# Allegro board SG2042_EVB_V1_1.brd (continued)
## Nets (continued)
PCIE0_TXM[0]: C382.2 J2018.B15
PCIE0_TXM[0]_L: C382.1 U1.BK29
PCIE0_TXM[1]: C387.2 J2018.B20
PCIE0_TXM[1]_L: C387.1 U1.BH30
PCIE0_TXM[2]: C391.2 J2018.B24
PCIE0_TXM[2]_L: C391.1 U1.BK31
PCIE0_TXM[3]: C395.2 J2018.B28
PCIE0_TXM[3]_L: C395.1 U1.BH32
PCIE0_TXM[4]: C399.2 J2018.B34
PCIE0_TXM[4]_L: C399.1 U1.BK33
PCIE0_TXM[5]: C403.2 J2018.B38
PCIE0_TXM[5]_L: C403.1 U1.BH34
PCIE0_TXM[6]: C407.2 J2018.B42
PCIE0_TXM[6]_L: C407.1 U1.BK35
PCIE0_TXM[7]: C411.2 J2018.B46
PCIE0_TXM[7]_L: C411.1 U1.BH36
PCIE0_TXM[8]: C415.2 J2019.B15
PCIE0_TXM[8]_L: C415.1 U1.BH38
PCIE0_TXM[9]: C419.2 J2019.B20
PCIE0_TXM[9]_L: C419.1 U1.BK39
PCIE0_TXM[10]: C423.2 J2019.B24
PCIE0_TXM[10]_L: C423.1 U1.BH40
PCIE0_TXM[11]: C427.2 J2019.B28
PCIE0_TXM[11]_L: C427.1 U1.BK41
PCIE0_TXM[12]: C431.2 J2019.B34
PCIE0_TXM[12]_L: C431.1 U1.BH42
PCIE0_TXM[13]: C435.2 J2019.B38
PCIE0_TXM[13]_L: C435.1 U1.BK43
PCIE0_TXM[14]: C439.2 J2019.B42
PCIE0_TXM[14]_L: C439.1 U1.BH44
PCIE0_TXM[15]: C443.2 J2019.B46
PCIE0_TXM[15]_L: C443.1 U1.BK45
PCIE0_TXP[0]: C383.2 J2018.B14
PCIE0_TXP[0]_L: C383.1 U1.BL29
PCIE0_TXP[1]: C385.2 J2018.B19
PCIE0_TXP[1]_L: C385.1 U1.BJ30
PCIE0_TXP[2]: C389.2 J2018.B23
PCIE0_TXP[2]_L: C389.1 U1.BL31
PCIE0_TXP[3]: C393.2 J2018.B27
PCIE0_TXP[3]_L: C393.1 U1.BJ32
PCIE0_TXP[4]: C397.2 J2018.B33
PCIE0_TXP[4]_L: C397.1 U1.BL33
PCIE0_TXP[5]: C401.2 J2018.B37
PCIE0_TXP[5]_L: C401.1 U1.BJ34
PCIE0_TXP[6]: C405.2 J2018.B41
PCIE0_TXP[6]_L: C405.1 U1.BL35
PCIE0_TXP[7]: C409.2 J2018.B45
PCIE0_TXP[7]_L: C409.1 U1.BJ36
PCIE0_TXP[8]: C413.2 J2019.B14
PCIE0_TXP[8]_L: C413.1 U1.BJ38
PCIE0_TXP[9]: C417.2 J2019.B19
PCIE0_TXP[9]_L: C417.1 U1.BL39
PCIE0_TXP[10]: C421.2 J2019.B23
PCIE0_TXP[10]_L: C421.1 U1.BJ40
PCIE0_TXP[11]: C425.2 J2019.B27
PCIE0_TXP[11]_L: C425.1 U1.BL41
PCIE0_TXP[12]: C429.2 J2019.B33
PCIE0_TXP[12]_L: C429.1 U1.BJ42
PCIE0_TXP[13]: C433.2 J2019.B37
PCIE0_TXP[13]_L: C433.1 U1.BL43
PCIE0_TXP[14]: C437.2 J2019.B41
PCIE0_TXP[14]_L: C437.1 U1.BJ44
PCIE0_TXP[15]: C441.2 J2019.B45
PCIE0_TXP[15]_L: C441.1 U1.BL45
PCIE1_0_REFCLK_M: R281.2 R290.1 U1.BH20
PCIE1_0_REFCLK_P: R280.2 R291.1 U1.BJ20
PCIE1_1_REFCLK_M: R283.2 R288.1 U1.BN20
PCIE1_1_REFCLK_P: R282.2 R289.1 U1.BP20
PCIE1_2_REFCLK_M: J1104.A14 R285.2 R286.1 R2108.1
PCIE1_2_REFCLK_P: J1104.A13 R284.2 R287.1 R2107.1
PCIE1_ATB_0: T38.1(TP) U1.E30
PCIE1_ATB_1: T39.1(TP) U1.F28
PCIE1_L0_CLKREQ_IN_X: U1.A19 U814.7
PCIE1_L0_CLKREQ_IN_X_H: J1104.B12 R1315.2 R2406.1 R2415.1
PCIE1_L0_RESET_X: R2281.2 U1.H27 U814.8
PCIE1_L0_RESET_X_H: J1104.A11 R1333.2 R2407.1 R2416.1
PCIE1_L0_WAKEUP_X: U1.B19 U814.9
PCIE1_L0_WAKEUP_X_H: J1104.B11(WAKE#) R1313.2 R2408.1 R2417.1
PCIE1_L1_CLKREQ_IN_X: T35.1(TP) U1.H28
PCIE1_L1_RESET_X: R2282.2 U1.G27
PCIE1_L1_WAKEUP_X: T36.1(TP) U1.E28
PCIE1_REXT: R18.1 U1.F29
PCIE1_RXM[0]: J1104.A17 U1.BN12
PCIE1_RXM[1]: J1104.A22 U1.BR13
PCIE1_RXM[2]: J1104.A26 U1.BN14
PCIE1_RXM[3]: J1104.A30 U1.BR15
PCIE1_RXM[4]: J1104.A36 U1.BN16
PCIE1_RXM[5]: J1104.A40 U1.BR17
PCIE1_RXM[6]: J1104.A44 U1.BN18
PCIE1_RXM[7]: J1104.A48 U1.BR19
PCIE1_RXM[8]: J1104.A53 U1.BR21
PCIE1_RXM[9]: J1104.A57 U1.BN22
PCIE1_RXM[10]: J1104.A61 U1.BR23
PCIE1_RXM[11]: J1104.A65 U1.BN24
PCIE1_RXM[12]: J1104.A69 U1.BR25
PCIE1_RXM[13]: J1104.A73 U1.BN26
PCIE1_RXM[14]: J1104.A77 U1.BR27
PCIE1_RXM[15]: J1104.A81 U1.BN28
PCIE1_RXP[0]: J1104.A16 U1.BP12
PCIE1_RXP[1]: J1104.A21 U1.BT13
PCIE1_RXP[2]: J1104.A25 U1.BP14
PCIE1_RXP[3]: J1104.A29 U1.BT15
PCIE1_RXP[4]: J1104.A35 U1.BP16
PCIE1_RXP[5]: J1104.A39 U1.BT17
PCIE1_RXP[6]: J1104.A43 U1.BP18
PCIE1_RXP[7]: J1104.A47 U1.BT19
PCIE1_RXP[8]: J1104.A52 U1.BT21
PCIE1_RXP[9]: J1104.A56 U1.BP22
PCIE1_RXP[10]: J1104.A60 U1.BT23
PCIE1_RXP[11]: J1104.A64 U1.BP24
PCIE1_RXP[12]: J1104.A68 U1.BT25
PCIE1_RXP[13]: J1104.A72 U1.BP26
PCIE1_RXP[14]: J1104.A76 U1.BT27
PCIE1_RXP[15]: J1104.A80 U1.BP28
PCIE1_TXM[0]: C384.2 J1104.B15
PCIE1_TXM[0]_L: C384.1 U1.BH12
PCIE1_TXM[1]: C388.2 J1104.B20
PCIE1_TXM[1]_L: C388.1 U1.BK13
PCIE1_TXM[2]: C392.2 J1104.B24
PCIE1_TXM[2]_L: C392.1 U1.BH14
PCIE1_TXM[3]: C396.2 J1104.B28
PCIE1_TXM[3]_L: C396.1 U1.BK15
PCIE1_TXM[4]: C400.2 J1104.B34
PCIE1_TXM[4]_L: C400.1 U1.BH16
PCIE1_TXM[5]: C404.2 J1104.B38
PCIE1_TXM[5]_L: C404.1 U1.BK17
PCIE1_TXM[6]: C408.2 J1104.B42
PCIE1_TXM[6]_L: C408.1 U1.BH18
PCIE1_TXM[7]: C412.2 J1104.B46
PCIE1_TXM[7]_L: C412.1 U1.BK19
PCIE1_TXM[8]: C416.2 J1104.B51
PCIE1_TXM[8]_L: C416.1 U1.BK21
PCIE1_TXM[9]: C420.2 J1104.B55
PCIE1_TXM[9]_L: C420.1 U1.BH22
PCIE1_TXM[10]: C424.2 J1104.B59
PCIE1_TXM[10]_L: C424.1 U1.BK23
PCIE1_TXM[11]: C428.2 J1104.B63
PCIE1_TXM[11]_L: C428.1 U1.BH24
PCIE1_TXM[12]: C432.2 J1104.B67
PCIE1_TXM[12]_L: C432.1 U1.BK25
PCIE1_TXM[13]: C436.2 J1104.B71
PCIE1_TXM[13]_L: C436.1 U1.BH26
PCIE1_TXM[14]: C440.2 J1104.B75
PCIE1_TXM[14]_L: C440.1 U1.BK27
PCIE1_TXM[15]: C444.2 J1104.B79
PCIE1_TXM[15]_L: C444.1 U1.BH28
PCIE1_TXP[0]: C381.2 J1104.B14
PCIE1_TXP[0]_L: C381.1 U1.BJ12
PCIE1_TXP[1]: C386.2 J1104.B19
PCIE1_TXP[1]_L: C386.1 U1.BL13
PCIE1_TXP[2]: C390.2 J1104.B23
PCIE1_TXP[2]_L: C390.1 U1.BJ14
PCIE1_TXP[3]: C394.2 J1104.B27
PCIE1_TXP[3]_L: C394.1 U1.BL15
PCIE1_TXP[4]: C398.2 J1104.B33
PCIE1_TXP[4]_L: C398.1 U1.BJ16
PCIE1_TXP[5]: C402.2 J1104.B37
PCIE1_TXP[5]_L: C402.1 U1.BL17
PCIE1_TXP[6]: C406.2 J1104.B41
PCIE1_TXP[6]_L: C406.1 U1.BJ18
PCIE1_TXP[7]: C410.2 J1104.B45
PCIE1_TXP[7]_L: C410.1 U1.BL19
PCIE1_TXP[8]: C414.2 J1104.B50
PCIE1_TXP[8]_L: C414.1 U1.BL21
PCIE1_TXP[9]: C418.2 J1104.B54
PCIE1_TXP[9]_L: C418.1 U1.BJ22
PCIE1_TXP[10]: C422.2 J1104.B58
PCIE1_TXP[10]_L: C422.1 U1.BL23
PCIE1_TXP[11]: C426.2 J1104.B62
PCIE1_TXP[11]_L: C426.1 U1.BJ24
PCIE1_TXP[12]: C430.2 J1104.B66
PCIE1_TXP[12]_L: C430.1 U1.BL25
PCIE1_TXP[13]: C434.2 J1104.B70
PCIE1_TXP[13]_L: C434.1 U1.BJ26
PCIE1_TXP[14]: C438.2 J1104.B74
PCIE1_TXP[14]_L: C438.1 U1.BL27
PCIE1_TXP[15]: C442.2 J1104.B78
PCIE1_TXP[15]_L: C442.1 U1.BJ28
PCIE_CLK_3.3V: C1156.2 C1157.2 C1158.2 C1159.2 C1160.2 C1161.2 C1162.2 C1163.2 C1164.2 C1165.2 FB12.2 R272.1 R276.2 R2111.1 R2113.1 U17.3 U17.6 U17.12 U17.25 U17.28 U17.32 U17.35 U17.37(VCCOC) U17.39 Y2.6(VCC)
PCIE_REFCLK_IN_N: R2108.2 R2116.2 U17.17
PCIE_REFCLK_IN_P: R2107.2 R2115.2 U17.16
PCIE_REFCLK_M: R278.1 R2118.2 U17.33
PCIE_REFCLK_P: R277.1 R2117.2 U17.34
PG_DDR01_VDDQ_1V2: R1357.2 R2070.2 U53.16
PG_DDR01_VPP_2V5: R459.1 U49.8
PG_DDR23_VDDQ_1V2: R1356.2 R2071.2 U53.20
PG_DDR23_VPP_2V5: R665.1 U58.8
PG_DDR_VDD_0V8: R1363.2 R2079.2 U37.20
PG_VDD_PCIE_D_0V8: R676.1 U60.8
PG_VDDC: R1364.2 R2078.2 U37.16
PHY0_ACT_LED: R84.2 R88.2 U7.32
PHY0_AVDD33: C557.1 C558.1 C559.1 FB4.2 U7.11 U7.40
PHY0_CFG_LDO0: R85.2 R90.2 U7.33
PHY0_CFG_LDO1: R70.2 R71.1 U7.34
PHY0_DVDD33: C3174.1 C3175.1 FB3.1 FB4.1 R71.2 U7.29
PHY0_DVDDRG: C549.1 C550.1 C551.1 C552.1 R69.2 R73.2 R75.2 R77.2 R79.2 R81.2 R83.2 U7.28
PHY0_REGOUT: C560.1 C561.1 C562.1 C563.1 C564.1 C565.1 U7.3 U7.8 U7.21 U7.30 U7.38
PHY0_RGMII0_IRQ: R2209.2 U7.31
PHY0_RSET: R58.2 U7.39
PHY0_XTAL_IN: C574.1 U7.36 Y1.1
PHY0_XTAL_OUT: R95.1 R2300.2 U7.37(XTAL_OUT/EXT_CLK)
PHY_MDI0+: T1.2 U7.1
PHY_MDI0-: T1.3(TD3-) U7.2
PHY_MDI1+: T1.5 U7.4
PHY_MDI1-: T1.6 U7.5
PHY_MDI2+: T1.8 U7.6
PHY_MDI2-: T1.9 U7.7
PHY_MDI3+: T1.11 U7.9
PHY_MDI3-: T1.12 U7.10
PLL_CLK_IN_DDR_L: R124.2 U1.AF48
PLL_CLK_IN_DDR_R: R144.2 U1.AF9
PLL_CLK_IN_MAIN: R186.2 U1.B31
PLL_LOCKO: R580.2 R593.2
PS_ON#: ATXPWR1.16 C1171.1 Q2008.3 R304.2 R2441.1 SW201.1
PWM0_SG2042: J2020.12 R132.1 R2469.1
PWM1: U34.34 U37.12
PWM1_DDR: U53.12 U54.34
PWM1_SG2042: J2020.14 R135.1
PWM2: U35.34 U37.11
PWM2_DDR: U53.1 U55.34
PWM2_SG2042: J2020.16 R134.1
PWM3: U36.34 U37.10
PWM3_SG2042: J2020.18 R137.1
PWM4: U37.9 U39.34
PWM5: U37.8 U40.34
PWM6: U37.7 U38.34
PWM7: U37.6 U42.34
PWM8: U37.5 U41.34
PWM9: U37.4 U44.34
PWM10: U37.1 U43.34
PWM_SG2042: J2020.11 J2020.13 J2020.15 J2020.17 R2469.2 U2011.3
PWM_SG2042_H: R574.1 R2272.2 R2427.2
PWR_BUTTON: C3266.1 K1.2 K1.4 R2301.1 T4.1(TP) U1.H41 U2011.1
PWR_BUTTON_H: R2426.2 U2009.8
PWR_OK_C: ATXPWR1.8 LED1.A R2443.1
RGMII0_IRQ: U1.C22 U2011.6
RGMII0_MDC: R68.1 R1267.1
RGMII0_MDIO: R69.1 R1268.1 U7.14
RGMII0_REFCLKO: R2299.1 R2300.1
RGMII0_RST_H: C548.1 R2208.2 T43.1(TP) U7.12
RGMII0_RXC: R61.2 R74.2 R75.1 U1.A20
RGMII0_RXCTRL: R62.2 R76.2 R77.1 U1.B20
RGMII0_RXD0: R63.2 R78.2 R79.1 U1.A23
RGMII0_RXD1: R65.2 R80.2 R81.1 U1.A22
RGMII0_RXD2: R66.2 R82.2 R83.1 U1.C23
RGMII0_RXD3: R67.2 R72.2 R73.1 U1.D23
RGMII0_TXC: R1214.1 U7.20
RGMII0_TXCTRL: R1215.1 U7.19
RGMII0_TXD0: R1216.1 U7.18
RGMII0_TXD1: R1217.1 U7.17
RGMII0_TXD2: R1218.1 U7.16
RGMII0_TXD3: R1219.1 U7.15
RTC_I2C_SCL: R2277.2 U2001.6
RTC_I2C_SDA: R2278.2 U2001.5
SCKT_ID0: R164.2 SW4.1 U1.C34
SCKT_ID1: R176.2 SW4.2 U1.F33
SD_PWR_3V3: FB2.2 U5.A1(VOUT)
SDIO_CD_X: R54.2 R2127.2 U1.B25
SDIO_CLK: R46.2 U1.A27
SDIO_CMD: R47.2 R48.2 U1.B27
SDIO_DAT0: R49.2 U1.D26
SDIO_DAT1: R50.2 U1.C26
SDIO_DAT2: R53.2 U1.B26
SDIO_DAT3: R51.2 U1.A26
SDIO_PWR_EN: R52.1 U1.D25
SDIO_RST_X: T7.1(TP) U1.C25
SDIO_WP: R41.1 U1.A25
SG2042_LPC_RST: R595.2 R2275.2
SLOT0_I2C_SCL: J1104.B5 R2257.2
SLOT0_I2C_SDA: J1104.B6 R2256.2
SLOT0_PRSENT2_0: J1104.B17 R2307.2 R2331.1
SLOT0_PRSENT2_1: J1104.B31 R2308.2 R2332.1
SLOT0_PRSENT2_2: J1104.B48 R2309.2 R2333.1
SLOT0_PRSENT2_3: J1104.B81 R2310.2 R2334.1
SLOT1_I2C_SCL: J2018.B5 R2259.2
SLOT1_I2C_SDA: J2018.B6 R2258.2
SLOT1_PRSENT2_0: J2018.B17 R2311.2 R2335.1
SLOT1_PRSENT2_1: J2018.B31 R2312.2 R2336.1
SLOT1_PRSENT2_2: J2018.B48 R2313.2 R2337.1
SLOT2_I2C_SCL: J2019.B5 R2261.2
SLOT2_I2C_SDA: J2019.B6 R2260.2
SLOT2_PRSENT2_0: J2019.B17 R2314.2 R2323.2
SLOT2_PRSENT2_1: J2019.B31 R2315.2 R2324.2
SLOT2_PRSENT2_2: J2019.B48 R2316.2 R2325.2
SPI0_CS0_X: R96.1 R215.2 R2368.1
SPI0_CS1_X: R217.2 R2370.1 R2481.1
SPI0_HOLD_X: R103.1 U10.7 U2013.7
SPI0_SCK: R219.2 U10.6 U2013.6
SPI0_SDI: R220.2 U10.2 U2013.2
SPI0_SDO: R222.2 U10.5 U2013.5
SPI0_WP_X: R97.1 R102.2 U10.3(W#/VPP) U2013.3(W#/VPP)
SPI1_CS0_X: R207.2 R1255.1 R2366.1
SPI1_CS1_X: R209.2 R2369.1 R2489.1
SPI1_HOLD_X: R1258.1 U811.7 U2014.7
SPI1_SCK: R210.2 U811.6 U2014.6
SPI1_SDI: R211.2 U811.2 U2014.2
SPI1_SDO: R212.2 U811.5 U2014.5
SPI1_WP_X: R1256.1 R1257.2 U811.3(W#/VPP) U2014.3(W#/VPP)
SPIF0_CLK_SEL0: J7.4 R25.2 R1220.2 SW1.1
SPIF0_CLK_SEL1: J7.6 R26.2 R1221.2 SW1.2
SPIF0_CS_X: J7.8 R1223.2 R1259.1 U812.1
SPIF0_HOLD_X: J7.18 R1222.2 R1262.1 U812.7
SPIF0_SCK: J7.10 R1224.2 U812.6
SPIF0_SDI: J7.12 R1225.2 U812.2
SPIF0_SDO: J7.14 R1226.2 U812.5
SPIF0_WP_X: J7.16 R1227.2 R1260.1 R1261.2 U812.3(W#/VPP)
SPIF1_CLK_SEL0: J7.3 R27.2 R1228.2 SW1.3
SPIF1_CLK_SEL1: J7.5 R28.2 R1229.2 SW1.4
SPIF1_CS_X: J7.7 R1230.2 R1263.1 U813.1
SPIF1_HOLD_X: J7.17 R1231.2 R1266.1 U813.7
SPIF1_SCK: J7.9 R1232.2 U813.6
SPIF1_SDI: J7.11 R1233.2 U813.2
SPIF1_SDO: J7.13 R1234.2 U813.5
SPIF1_WP_X: J7.15 R1235.2 R1264.1 R1265.2 U813.3(W#/VPP)
STATUS_LED0: R2080.1 R2251.2
SYS_RST_X: C3267.1 K2.2 K2.4 R2302.1 R2474.1 T5.1(TP) U1.J25
SYS_RST_X_H: R2104.1 R2306.2
TEMP_N: R189.1 U1.C31
TEMP_P: R173.1 U1.D31
TEST_EN: R167.2 SW5.1 U1.G41
TEST_MOD: J2005.1 R2490.2 R2491.2
TEST_MODE_BSD: R168.2 SW5.2 U1.C41
TEST_MODE_MBIST: R169.2 SW5.3 U1.B41
TEST_MODE_SCAN: R170.2 SW5.4 U1.J41
UART0_CTS: R203.1 U12.1
UART0_CTS_H: J2007.9 R2227.2
UART0_RTS: R204.1 U12.3
UART0_RTS_H: J2007.11 R2228.2
UART0_RX: R205.1 U12.4
UART0_RX_H: J2007.7 R2229.2 R2473.2
UART0_TX: R206.1 U12.5
UART0_TX_H: J2007.5 R2230.2 R2472.2
UART1_CTS: R213.1 U12.6
UART1_CTS_H: J2007.19 R2231.2
UART1_RTS: R214.1 U12.7
UART1_RTS_H: J2007.21 R2232.2
UART1_RX: R216.1 U12.8
UART1_RX_H: J2007.17 R2233.2 R2471.2
UART1_TX: R218.1 U12.9
UART1_TX_H: J2007.15 R2234.2 R2470.2
UART2_CTS: R221.1 U14.1
UART2_CTS_H: J2007.10 R2219.2
UART2_RTS: R223.1 U14.3
UART2_RTS_H: J2007.12 R2220.2
UART2_RX: R224.1 U14.4
UART2_RX_H: J2007.8 R2221.2
UART2_TX: R230.1 U14.5
UART2_TX_H: J2007.6 R2222.2
UART3_CTS: R233.1 U14.6
UART3_CTS_H: J2007.20 R2223.2
UART3_RTS: R236.1 U14.7
UART3_RTS_H: J2007.22 R2224.2
UART3_RX: R238.1 U14.8
UART3_RX_H: J2007.18 R2225.2
UART3_TX: R240.1 U14.9
UART3_TX_H: J2007.16 R2226.2
USB_OUT_3V31: C588.1 C589.1 R262.1 U15.6(VDD)
USB_OUT_3V32: C1668.1 C1669.1 R1141.1 U805.6(VDD)
USB_OUT_3V33: C3166.1 C3167.1 R2065.1 U2002.6(VDD)
VEMMC: C541.2 C542.2 C543.2 FB1.2 U2.E6 U2.F5 U2.J10 U2.K9
VMON_N: T3.1(TP) U1.A30
VMON_P: T2.1(TP) U1.B30
VQPS18: R256.2 U1.BA29 U51.5
VQPS18_H: R256.1 U13.A1(VOUT) U51.4
VRHOT_DDR: TP15.1(TP) U53.18(V\R\H\O\T\)
VRHOT_VDDC: TP5.1(TP) U37.18(V\R\H\O\T\)
XTAL_32K: R471.2 U1.A31
N268855: J1.238 R2.1
N268909: J1.140 R3.1
N268955: J1.139 R4.1
N16776345: L8.1 R372.1 U34.10 U34.11 U34.12 U34.13 U34.14 U34.15 U34.16 U34.17 U34.18 U34.19
N16776453: L9.1 R369.1 U35.10 U35.11 U35.12 U35.13 U35.14 U35.15 U35.16 U35.17 U35.18 U35.19
N16776549: L10.1 R370.1 U36.10 U36.11 U36.12 U36.13 U36.14 U36.15 U36.16 U36.17 U36.18 U36.19
N16776613: C1254.1 R364.2 R371.1 U37.46
N16776843: C1263.1 R365.2 U34.3
N16776931: C1269.1 R368.2 U35.3
N16777019: C1275.1 R366.2 U36.3
N16777051: R2447.2 R2448.1 U37.45
N16777342: C1280.1 R369.2
N16777444: C1285.1 R370.2
N16777579: C1286.1 R372.2
N16777827: C1282.1 R376.1 R469.1 U37.25
N16777829: C1282.2 R379.1 R468.1 U37.26
N16777929: C1283.1 U34.33
N16777935: C1287.1 U35.33
N16777939: C1284.2 U36.33
N16777961: R377.2 U34.35
N16777979: R378.2 U35.35
N16777997: R381.2 U36.35
N16778101: C1283.2 R2456.2
N16778111: C1287.2 R2457.2
N16778145: C1289.1 R382.2 U34.1
N16778156: C1291.1 R383.2 U35.1
N16778167: C1293.1 R384.2 U36.1
N16778214: C1290.1 R385.2 U34.39
N16778223: C1292.1 R386.2 U35.39
N16778232: C1294.1 R387.2 U36.39
N16778267: R388.1 U34.37
N16778271: R389.1 U35.37
N16778275: R390.1 U36.37
N16779392: C1309.1 R392.2 R393.1 U37.43
N16779575: C1446.1 R481.2 R482.1 U37.44
N16779882: L11.1 R398.1 U39.10 U39.11 U39.12 U39.13 U39.14 U39.15 U39.16 U39.17 U39.18 U39.19
N16779930: L12.1 R400.1 U40.10 U40.11 U40.12 U40.13 U40.14 U40.15 U40.16 U40.17 U40.18 U40.19
N16779978: L13.1 R402.1 U38.10 U38.11 U38.12 U38.13 U38.14 U38.15 U38.16 U38.17 U38.18 U38.19
N16780125: C1311.1 R397.2 U39.3
N16780169: C1325.1 R399.2 U40.3
N16780213: C1328.1 R401.2 U38.3
N16780259: C1334.1 R398.2
N16780361: C1337.1 R400.2
N16780463: C1338.1 R402.2
N16780805: C1339.1 U39.33
N16780809: C1340.1 U40.33
N16780813: C1341.1 U38.33
N16780817: R403.2 U39.35
N16780835: R404.2 U40.35
N16780853: R405.2 U38.35
N16780921: C1339.2 R2458.2
N16780931: C1340.2 R2459.2
N16780941: C1341.2 R2463.2
N16780946: C1342.1 R406.2 U39.1
N16780957: C1344.1 R407.2 U40.1
N16780968: C1346.1 R408.2 U38.1
N16781003: C1343.1 R409.2 U39.39
N16781012: C1345.1 R410.2 U40.39
N16781021: C1347.1 R411.2 U38.39
N16781027: R412.1 U39.37
N16781031: R413.1 U40.37
N16781035: R414.1 U38.37
N16782716: L14.1 R419.1 U44.10 U44.11 U44.12 U44.13 U44.14 U44.15 U44.16 U44.17 U44.18 U44.19
N16782764: L15.1 R417.1 U43.10 U43.11 U43.12 U43.13 U43.14 U43.15 U43.16 U43.17 U43.18 U43.19
N16782812: L16.1 R423.1 U42.10 U42.11 U42.12 U42.13 U42.14 U42.15 U42.16 U42.17 U42.18 U42.19
N16782860: L17.1 R421.1 U41.10 U41.11 U41.12 U41.13 U41.14 U41.15 U41.16 U41.17 U41.18 U41.19
N16783003: C1390.1 R415.2 U44.3
N16783047: C1394.1 R420.2 U43.3
N16783091: C1386.1 R422.2 U42.3
N16783135: C1371.1 R418.2 U41.3
N16783181: C1402.1 R419.2
N16783283: C1403.1 R417.2
N16783385: C1400.1 R423.2
N16783487: C1401.1 R421.2
N16783901: C1406.1 U44.33
N16783905: C1407.1 U43.33
N16783909: C1404.1 U42.33
N16783913: C1405.1 U41.33
N16783917: R426.2 U44.35
N16783935: R427.2 U43.35
N16783953: R424.2 U42.35
N16783971: R425.2 U41.35
N16784053: C1406.2 R2464.2
N16784063: C1407.2 R2465.2
N16784073: C1404.2 R2461.2
N16784083: C1405.2 R2462.2
N16784088: C1412.1 R428.2 U44.1
N16784099: C1414.1 R429.2 U43.1
N16784110: C1408.1 R430.2 U42.1
N16784121: C1410.1 R431.2 U41.1
N16784164: C1413.1 R432.2 U44.39
N16784173: C1415.1 R433.2 U43.39
N16784182: C1409.1 R434.2 U42.39
N16784191: C1411.1 R435.2 U41.39
N16784197: R438.1 U44.37
N16784201: R439.1 U43.37
N16784205: R436.1 U42.37
N16784209: R437.1 U41.37
N16799311: R109.1 SW3.12
N16799336: R104.1 SW2.12
N16799358: R106.1 SW3.11
N16799404: R112.1 SW2.11
N16799429: R110.1 SW3.10
N16799476: R108.1 SW2.10
N16799508: R115.1 SW3.9
N16799557: R111.1 SW2.9
N16799582: R114.1 SW3.8
N16799631: R113.1 SW2.8
N16799658: R117.1 SW3.7(B6)
N16799673: R116.1 SW2.7(B6)
N16800093: R140.1 SW4.12
N16800114: R143.1 SW5.12
N16800143: R146.1 SW4.11
N16800164: R147.1 SW5.11
N16800198: R149.1 SW4.10
N16800219: R150.1 SW5.10
N16800260: R152.1 SW4.9
N16800281: R153.1 SW5.9
N16800328: R155.1 SW4.8
N16800349: R156.1 SW5.8
N16800382: R157.1 SW4.7(B6)
N16800393: R158.1 SW5.7(B6)
N16800835: C577.1 R107.1 X1.1
N16800988: R124.1 X1.3
N16801147: C581.1 R139.1 X2.1
N16801273: R144.1 X2.3
N16801494: C585.1 R161.1 X3.1
N16801627: R186.1 X3.3
N16804839: J11.1(VREF) R187.2
N16807123: D42.1 FB8.2 J22.1(VBUS) T46.1(TP)
N16807257: D43.1 J22.2 U15.5
N16807264: C605.1 R262.2 U15.9
N16807287: D44.1 J22.3 U15.4
N16807980: C1429.1 U49.19
N16807985: C1429.2 L18.1 U49.17
N16820738: J2.238 R6.1
N16820747: J2.140 R7.1
N16820756: J2.139 R8.1
N16828823: J3.238 R10.1
N16828836: J3.140 R11.1
N16828849: J3.139 R12.1
N16829656: J11.11 R192.2 R195.2
N16832496: J4.238 R14.1
N16832505: J4.140 R15.1
N16832514: J4.139 R16.1
N16833185: J10.1(VREF) R105.2
N16833257: J10.11 R118.2 R138.2
N16835131: J12.1(VREF) R235.2
N16835205: J12.11 R245.2 R251.2
N16839997: R452.1 U48.6
N16841761: R460.1 R461.2 R462.1 U49.6
N16841764: C1434.1 R460.2
N16842324: R466.2 U49.3
N16843634: R464.2 U49.2
N16844656: C3148.1 R459.2 U49.16
N16848150: C1421.2 R445.2 R449.1 U47.1
N16851719: C1420.1 U47.6
N16851931: R443.2 U47.9
N16854767: R467.1 U50.6
N16879443: R36.2 U1.D30
N16879465: C525.2 C526.1 U2.C2
N16880032: D1.1 J8.5 R46.1
N16880080: D7.1 J8.3 R47.1
N16880122: D2.1 J8.7 R49.1
N16880147: D3.1 J8.8 R50.1
N16880195: D4.1 J8.2 R51.1
N16880209: D5.1 J8.1 R53.1
N16880231: D6.1 J8.9 R54.1
N16880255: R52.2 R55.2 U5.B2
N16956946: R257.2 R258.2 U13.B2
N16965254: R137.2 U1.E18
N16965255: R132.2 U1.F18
N16965256: R134.2 U1.J22
N16965257: R135.2 U1.D17
N16965338: R203.2 U1.J35
N16965348: R204.2 U1.G38
N16965358: R205.2 U1.B38
N16965360: R206.2 U1.A39
N16965694: R213.2 U1.B36
N16965704: R214.2 U1.D37
N16965714: R216.2 U1.F39
N16965716: R218.2 U1.C37
N16965774: R221.2 U1.B37
N16965784: R223.2 U1.J33
N16965794: R224.2 U1.H34
N16965796: R230.2 U1.A37
N16965854: R233.2 U1.A36
N16965864: R236.2 U1.A38
N16965874: R238.2 U1.H33
N16965876: R240.2 U1.G35
N16965918: R243.2 U1.G20
N16965920: R246.2 U1.C17
N16965958: R247.2 U1.G21
N16965960: R248.2 U1.H22
N16966046: R255.2 U1.D18
N16966110: R249.2 U1.B17
N16966114: R252.2 U1.J19
N16966126: R254.2 U1.H21
N16966457: R211.1 U1.B35
N16966458: R209.1 U1.F35
N16966459: R210.1 U1.D35
N16966460: R207.1 U1.E36
N16966486: R212.1 U1.C35
N16966538: R215.1 U1.F36
N16966548: R217.1 U1.G33
N16966558: R219.1 U1.F34
N16966568: R220.1 U1.H32
N16966578: R222.1 U1.A35
N16966638: R225.1 U1.J39
N16966648: R231.1 U1.H40
N16966658: R232.1 U1.J37
N16966668: R234.1 U1.H39
N16966678: R237.1 U1.C40
N16966738: R239.1 U1.F40
N16966748: R241.1 U1.F38
N16966758: R242.1 U1.J34
N16966768: R244.1 U1.D40
N17085811: C1316.2 R395.1 U37.39
N17085812: C1316.1 R394.1 U37.40
N17141953: C573.1 R95.2 Y1.3(OUT)
N17142066: R61.1 U7.27
N17142082: R62.1 U7.26
N17142098: R63.1 U7.25
N17142114: R65.1 U7.24
N17142142: R66.1 U7.23
N17142158: R67.1 U7.22
N17144487: J9.9 R87.1
N17144493: C566.1 T1.1 T1.4 T1.7 T1.10
N17144497: R94.2 T1.24
N17144524: J9.1 T1.23
N17144531: J9.2 T1.22
N17144533: J9.10 R88.1
N17144549: R93.2 T1.21
N17144571: J9.3 T1.20
N17144573: J9.11 R89.1
N17144582: J9.6 T1.19
N17144590: R92.2 T1.18
N17144594: J9.12 R90.1
N17144609: J9.4 T1.17
N17144619: J9.5(TX1-) T1.16
N17144625: R91.2 T1.15
N17144632: J9.7 T1.14
N17144641: J9.8 T1.13
N17144716: C569.1 R91.1 R92.1 R93.1 R94.1
N17150633: LED1.C(CATHODE) R324.1
N17201516: C1441.1 U49.4
N17204608: R151.1 U1.H17
N17204609: R145.1 U1.G23
N17204610: R141.1 U1.J21
N17204611: R148.1 U1.E19
N17204612: R142.1 U1.G17
N17204640: R154.1 U1.F20
N17204700: R159.1 U1.F32
N17204710: R160.1 U1.D33
N17204720: R162.1 U1.A33
N17204730: R163.1 U1.G30
N17204740: R172.1 U1.H30
N17204750: R180.1 U1.J30
N17204820: R174.1 U1.F22
N17204830: R184.1 U1.H23
N17204840: R185.1 U1.E21
N17204850: R188.1 U1.H19
N17204860: R190.1 U1.D20
N17204870: R191.1 U1.D21
N17216212: R266.1 U17.1
N17216233: R267.1 U17.2
N17216252: R268.1 U17.4
N17216271: R269.1 U17.5
N17216290: R270.1 U17.7
N17216309: R271.1 U17.8
N17216384: R280.1 U17.27
N17216403: R281.1 U17.26
N17216422: R282.1 U17.30
N17216441: R283.1 U17.29
N17216464: R284.1 U17.24
N17216485: R285.1 U17.23
N17217320: R276.1 Y2.1
N17217322: R277.2 Y2.4
N17217329: R278.2 Y2.5
N17224049: R441.1 U45.6
N17229503: R315.1 U20.6
N17231691: R333.1 U25.4
N17231693: C1208.2 R333.2
N17231745: C1208.1 L4.1 U25.2(SW)
N17231794: C1212.2 R336.2 R337.1 R340.2
N17231828: R336.1 U25.6
N17232456: R353.1 U31.4
N17232458: C1233.2 R353.2
N17232516: C1233.1 L7.1 U31.2(SW)
N17232566: C1234.2 R357.1 R2188.2 R2189.2
N17232598: R2188.1 U31.6
N17235218: R339.1 U28.4
N17235220: C1215.2 R339.2
N17235288: C1215.1 L5.1 U28.2(SW)
N17235374: C1220.2 R344.1 R2186.2 R2187.2
N17284260: R306.1 U19.4
N17284262: C1169.2 R306.2
N17284332: C1169.1 L1.1 U19.2(SW)
N17284386: C1170.2 R310.2 R311.1 R313.2
N17284418: R310.1 U19.6
N17288473: R60.1 U6.6
N17289826: R43.1 U3.6
N17289929: R44.1 U4.6
N17295617: R20.1 SW1.12
N17295638: R19.1 SW1.11
N17295659: R21.1 SW1.10
N17295680: R22.1 SW1.9
N17295697: R29.2 SW1.5
N17295701: R23.1 SW1.8
N17295718: R30.2 SW1.6
N17295722: R24.1 SW1.7(B6)
N17300970: R326.1 U24.6
N17301610: R335.1 U26.6
N17301713: R338.1 U27.6
N17301816: R348.1 U30.6
N17455755: C3143.1 R470.1 X4.1
N17455787: R471.1 X4.3
N17456600: R472.1 U1.A41
N17456613: R473.1 U1.J38
N17456626: R474.1 U1.F41
N17456639: R475.1 U1.H38
N17457389: R476.1 U51.6
N17507585: C3323.1 J1.146 R489.1 R490.1
N17508768: C3324.1 J2.146 R491.1 R492.1
N17509318: C3325.1 J3.146 R493.1 R494.1
N17509859: C3326.1 J4.146 R495.1 R496.1
N17811578: D520.A R588.1
N17859903: C1492.1 R621.2 U53.47
N17859934: C1491.1 R622.2 R624.1 U53.46
N17860152: C1494.1 R630.1 U53.25
N17860154: C1494.2 R631.1 U53.26
N17860479: C1497.1 R634.2 R638.1 U53.43
N17860491: C1496.1 R635.2 R637.1 U53.44
N17860515: R640.1 R641.1 U53.42
N17860586: C1498.1 R636.1 U53.40
N17860630: C1498.2 R639.1 U53.39
N17861973: L19.1 R643.1 U54.10 U54.11 U54.12 U54.13 U54.14 U54.15 U54.16 U54.17 U54.18 U54.19
N17862054: C1506.1 R642.2 U54.3
N17862200: C1512.1 R643.2
N17862277: C1513.1 U54.33
N17862291: R645.2 U54.35
N17862331: C1513.2 R2454.2
N17862336: C1514.1 R646.2 U54.1
N17862355: C1515.1 R647.2 U54.39
N17862361: R648.1 U54.37
N17863856: L20.1 R650.1 U55.10 U55.11 U55.12 U55.13 U55.14 U55.15 U55.16 U55.17 U55.18 U55.19
N17863939: C1523.1 R649.2 U55.3
N17863973: C1529.1 R650.2
N17864138: C1530.1 U55.33
N17864142: R651.2 U55.35
N17864182: C1530.2 R2455.2
N17864187: C1531.1 R652.2 U55.1
N17864206: C1532.1 R653.2 U55.39
N17864212: R654.1 U55.37
N17870441: R655.2 U56.9
N17870502: C1533.1 U56.6
N17870524: C1534.2 R657.2 R659.1 U56.1
N17870797: R661.1 U57.6
N17870862: C1542.1 U58.19
N17870866: C1542.2 L21.1 U58.17
N17871096: R664.1 R666.2 R667.1 U58.6
N17871102: C1547.1 R664.2
N17871216: C3147.1 R665.2 U58.16
N17871270: R671.2 U58.3
N17871274: R669.2 U58.2
N17871278: C1554.1 U58.4
N17871473: R672.1 U59.6
N17876519: C1557.1 U60.19
N17876523: C1557.2 L22.1 U60.17
N17876753: R675.1 R677.2 R2183.1 U60.6
N17876759: C1562.1 R675.2
N17876871: C3159.1 R676.2 U60.16
N17876927: R682.2 U60.3
N17876931: R680.2 U60.2
N17876935: C1569.1 U60.4
N17884056: R689.1 U61.6
N17885153: R693.1 U62.6
N17885780: R694.1 U63.6
N17885880: R695.1 U64.6
N18066431: D521.1 FB1106.2 J1103.1(VBUS) T44.1(TP)
N18066499: D522.1 J1103.2 U805.5
N18066506: C1672.1 R1141.2 U805.9
N18066514: D523.1 J1103.3 U805.4
N18071451: R1142.1 U808.4
N18071453: C1673.2 R1142.2
N18071511: C1673.1 L23.1 U808.2(SW)
N18071533: R1143.1 U808.5
N18071559: C1676.2 R1144.2 R1145.1 R1146.2
N18071593: R1144.1 U808.6
N18430898: R1246.2 U1.C29
N18430900: R1247.2 U1.A29
N18430902: R1248.2 U1.B29
N18430904: R1249.2 U1.A28
N18430906: R1250.2 U1.D29
N18430908: R1251.2 U1.C28
N18430910: R1252.2 U1.B28
N18430912: R1253.2 U1.D27
N18431005: R1254.2 U1.D28
N18436137: R1267.2 U1.D22
N18436140: R1268.2 U1.C20
N18511244: R1310.1 U815.6
N18530580: R1311.1 U814.20
N18532801: R1334.1 U814.17
N18532938: R1332.1 U814.18
N18533163: R1312.1 U814.16
N18533338: R1315.1 U814.14
N18533351: R1333.1 U814.13
N18533364: R1313.1 U814.12
N18533409: R1335.1 U814.15
N18537731: R1348.1 U816.4
N18537733: C3160.2 R1348.2
N18537797: C3160.1 L26.1 U816.2(SW)
N18537845: C3163.2 R1350.2 R1351.1 R1352.2
N18537879: R1350.1 U816.6
N18575691: J2005.6 R2021.2
N18575720: J2005.5 R2025.2
N18575739: J2005.4 R2023.2
N18575752: J2005.3 R2024.2
N18587005: D528.1 FB2001.2 J2006.1(VBUS)
N18587041: D529.1 J2006.2 U2002.5
N18587048: C3170.1 R2065.2 U2002.9
N18587056: D530.1 J2006.3 U2002.4
N18591923: J1.285 R2081.2
N18591926: J1.141 R2082.2
N18592474: J2.285 R2083.2
N18592479: J2.141 R2084.2
N18592893: J3.285 R2085.2
N18592898: J3.141 R2086.2
N18592955: J4.285 R2087.2
N18592960: J4.141 R2088.2
N18761187: R1220.1 U1.B40
N18761202: R1221.1 U1.A40
N18761243: R1224.1 U1.D36
N18761256: R1225.1 U1.G36
